# Altium PCB Computer_Board_Mockup.PcbDoc (part 2 of 5)
Units mm, origin at the board's own origin, x right, y up, seen from the top; angles counter-clockwise.
Board outline 185 x 165 mm, 4 copper layers (Top Layer, Layer 1, Layer 2, Bottom Layer), stack 1.57 mm thick; 400 components, 369 nets, 1989 pads, 984 vias.
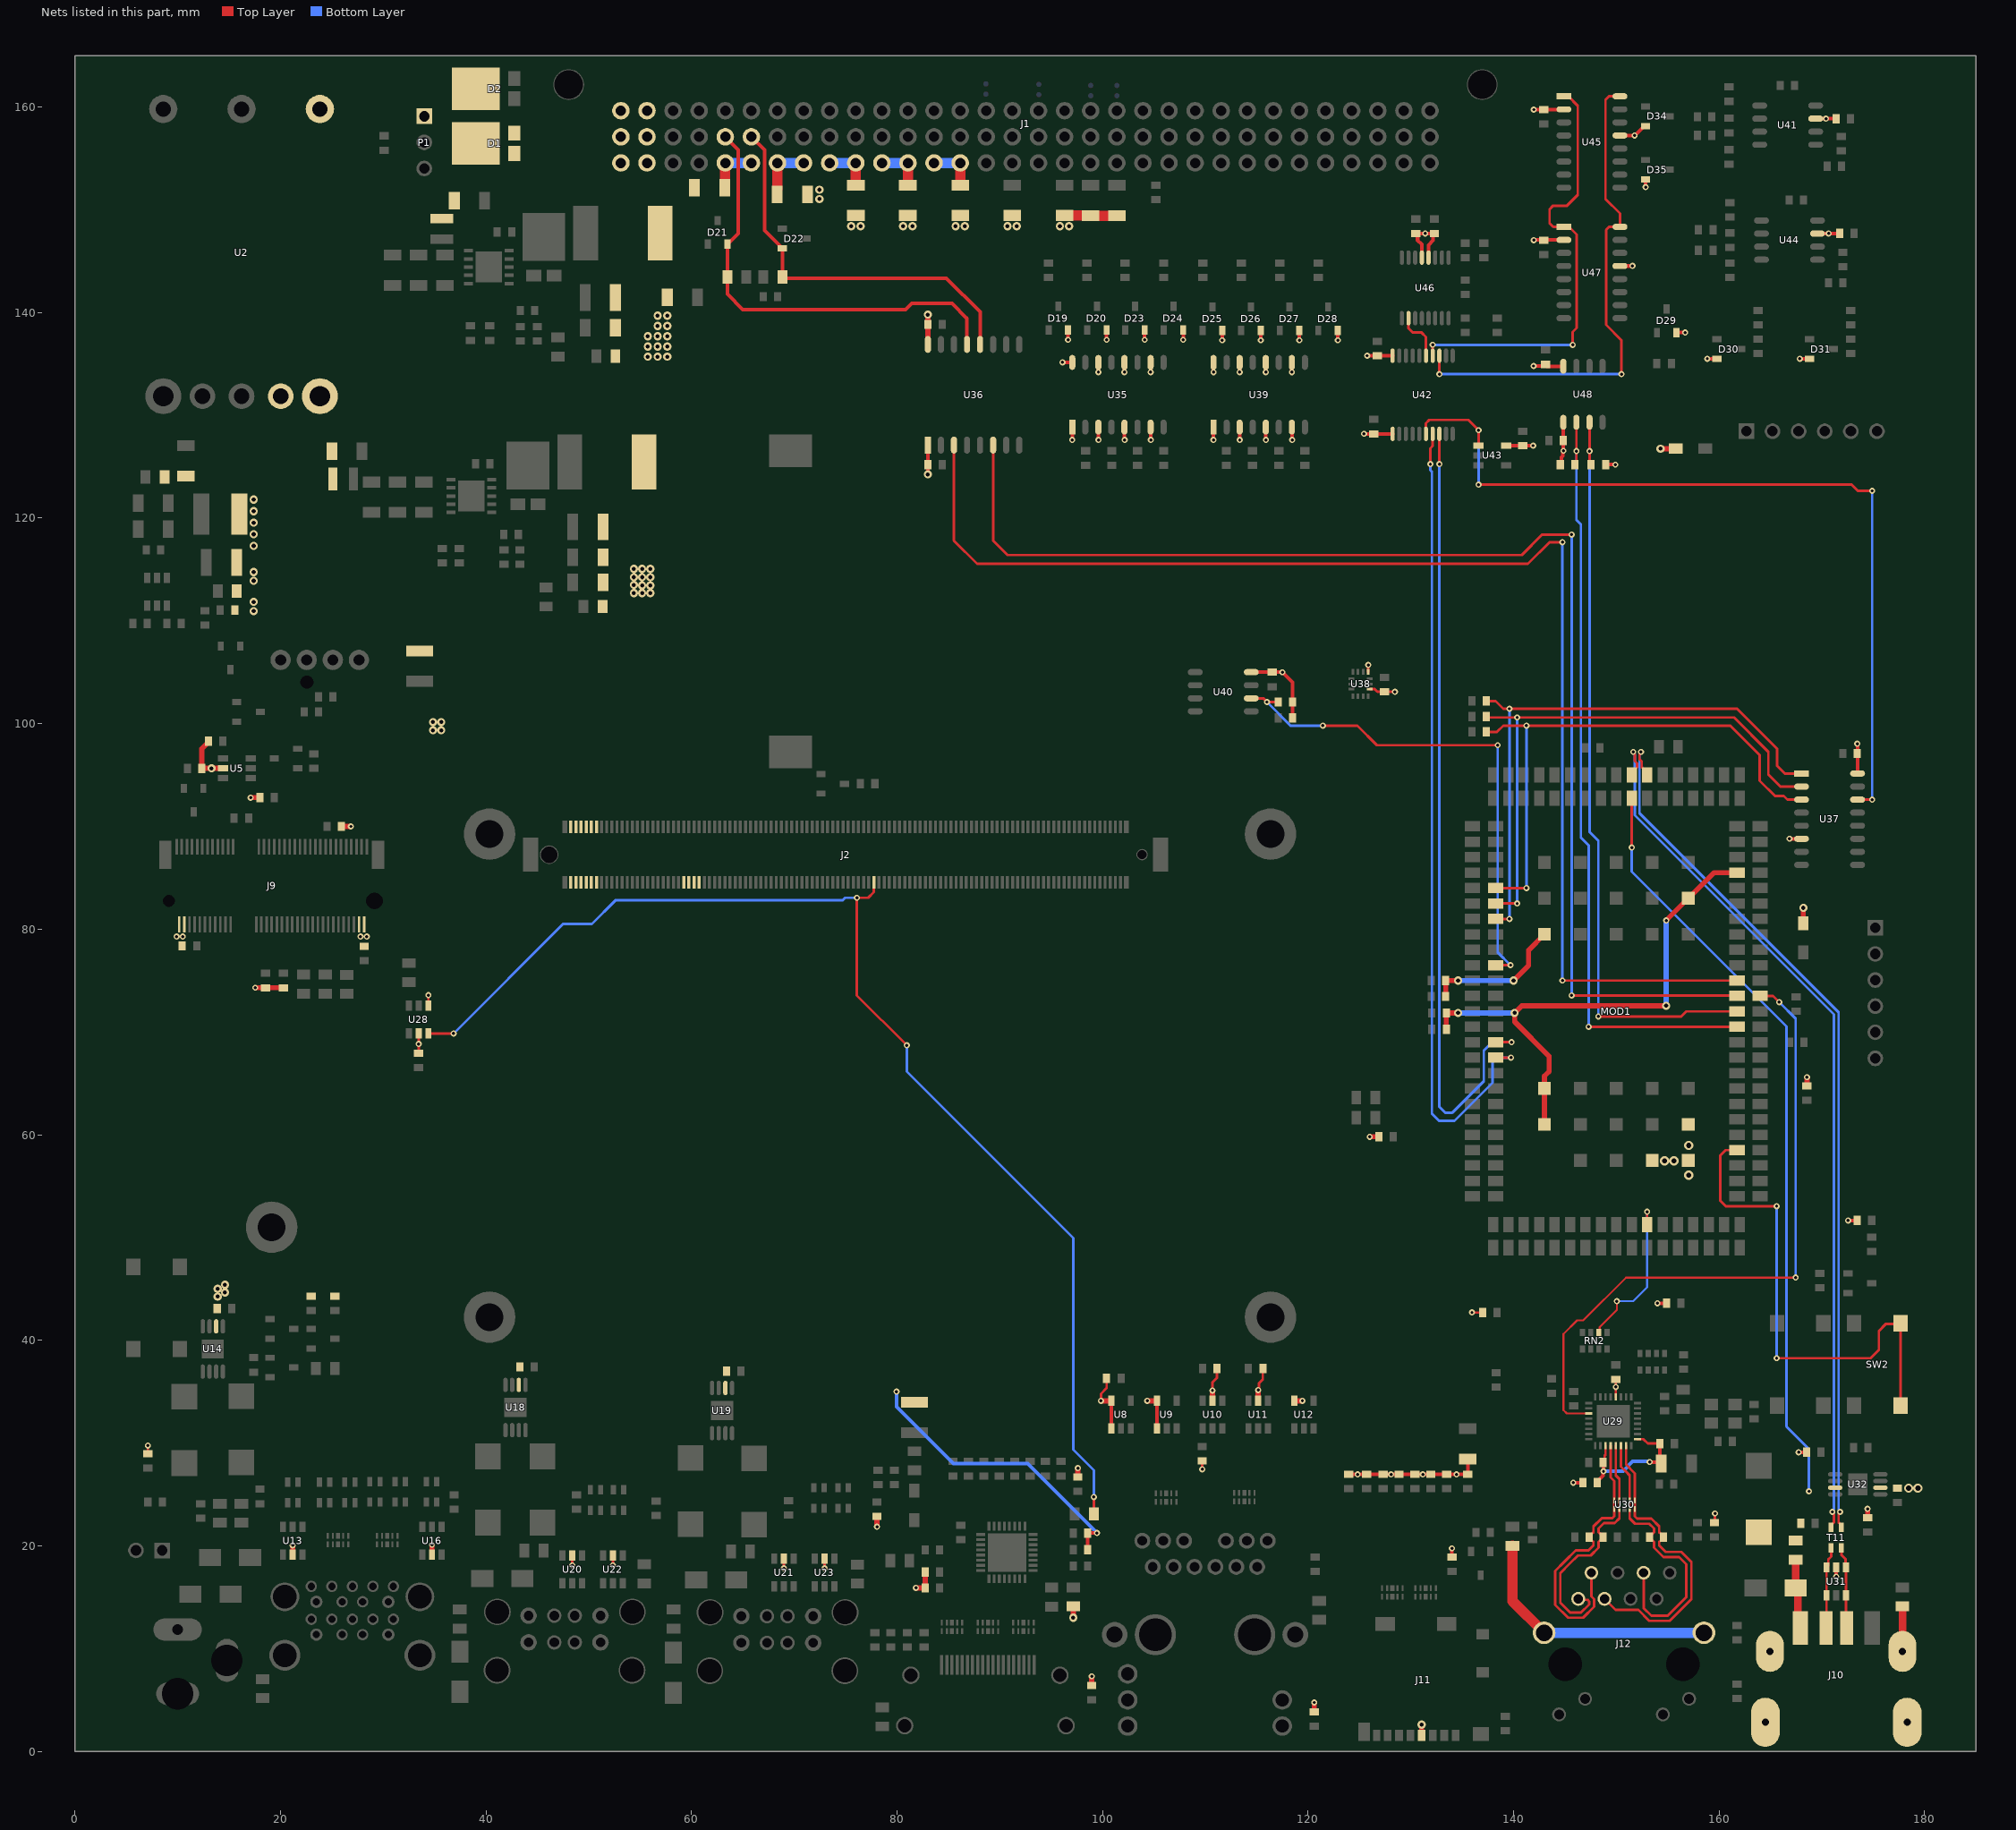
[diagram p4: the nets of this part, all layers, seen from the top]

## Footprints (in the part's own frame and the unit in brackets; to place one, negate y for a bottom-side part, rotate by r counter-clockwise, add the part's x,y. Pads: shape width x height; smd on the part's side, far side on the other; paste and mask are expansions set on the pad) (continued)
TE_CONN_1827253 [mm] "COM Express Socket"
  rect 1.45x3.3 smd: 0(-30.65,0) 0(30.65,0)
  round 1.8 hole 1.6: 0(-28.85,0)
  round 1.1 hole 0.9: 0(28.85,0)
  rect 0.45x1.2 smd mask+0.05: A1(27.325,2.7) A110(-27.325,2.7) B1(27.325,-2.7) B110(-27.325,-2.7)
  rect 0.3x1.2 smd mask+0.05: A2(26.75,2.7) A3(26.25,2.7) A4(25.75,2.7) A5(25.25,2.7) A6(24.75,2.7) A7(24.25,2.7) A8(23.75,2.7) A9(23.25,2.7) A10(22.75,2.7) A11(22.25,2.7) A12(21.75,2.7) A13(21.25,2.7) A14(20.75,2.7) A15(20.25,2.7) A16(19.75,2.7) A17(19.25,2.7) A18(18.75,2.7) A19(18.25,2.7) A20(17.75,2.7) A21(17.25,2.7) A22(16.75,2.7) A23(16.25,2.7) A24(15.75,2.7) A25(15.25,2.7) A26(14.75,2.7) A27(14.25,2.7) A28(13.75,2.7) A29(13.25,2.7) A30(12.75,2.7) A31(12.25,2.7) A32(11.75,2.7) A33(11.25,2.7) A34(10.75,2.7) A35(10.25,2.7) A36(9.75,2.7) A37(9.25,2.7) A38(8.75,2.7) A39(8.25,2.7) A40(7.75,2.7) A41(7.25,2.7) A42(6.75,2.7) A43(6.25,2.7) A44(5.75,2.7) A45(5.25,2.7) A46(4.75,2.7) A47(4.25,2.7) A48(3.75,2.7) A49(3.25,2.7) A50(2.75,2.7) A51(2.25,2.7) A52(1.75,2.7) A53(1.25,2.7) A54(0.75,2.7) A55(0.25,2.7) A56(-0.25,2.7) A57(-0.75,2.7) A58(-1.25,2.7) A59(-1.75,2.7) A60(-2.25,2.7) A61(-2.75,2.7) A62(-3.25,2.7) A63(-3.75,2.7) A64(-4.25,2.7) A65(-4.75,2.7) A66(-5.25,2.7) A67(-5.75,2.7) A68(-6.25,2.7) A69(-6.75,2.7) A70(-7.25,2.7) A71(-7.75,2.7) A72(-8.25,2.7) A73(-8.75,2.7) A74(-9.25,2.7) A75(-9.75,2.7) A76(-10.25,2.7) A77(-10.75,2.7) A78(-11.25,2.7) A79(-11.75,2.7) A80(-12.25,2.7) A81(-12.75,2.7) A82(-13.25,2.7) A83(-13.75,2.7) A84(-14.25,2.7) A85(-14.75,2.7) A86(-15.25,2.7) A87(-15.75,2.7) A88(-16.25,2.7) A89(-16.75,2.7) A90(-17.25,2.7) A91(-17.75,2.7) A92(-18.25,2.7) A93(-18.75,2.7) A94(-19.25,2.7) A95(-19.75,2.7) A96(-20.25,2.7) A97(-20.75,2.7) A98(-21.25,2.7) A99(-21.75,2.7) A100(-22.25,2.7) A101(-22.75,2.7) A102(-23.25,2.7) A103(-23.75,2.7) A104(-24.25,2.7) A105(-24.75,2.7) A106(-25.25,2.7) A107(-25.75,2.7) A108(-26.25,2.7) A109(-26.75,2.7) B2(26.75,-2.7) B3(26.25,-2.7) B4(25.75,-2.7) B5(25.25,-2.7) B6(24.75,-2.7) B7(24.25,-2.7) B8(23.75,-2.7) B9(23.25,-2.7) B10(22.75,-2.7) B11(22.25,-2.7) B12(21.75,-2.7) B13(21.25,-2.7) B14(20.75,-2.7) B15(20.25,-2.7) B16(19.75,-2.7) B17(19.25,-2.7) B18(18.75,-2.7) B19(18.25,-2.7) B20(17.75,-2.7) B21(17.25,-2.7) B22(16.75,-2.7) B23(16.25,-2.7) B24(15.75,-2.7) B25(15.25,-2.7) B26(14.75,-2.7) B27(14.25,-2.7) B28(13.75,-2.7) B29(13.25,-2.7) B30(12.75,-2.7) B31(12.25,-2.7) B32(11.75,-2.7) B33(11.25,-2.7) B34(10.75,-2.7) B35(10.25,-2.7) B36(9.75,-2.7) B37(9.25,-2.7) B38(8.75,-2.7) B39(8.25,-2.7) B40(7.75,-2.7) B41(7.25,-2.7) B42(6.75,-2.7) B43(6.25,-2.7) B44(5.75,-2.7) B45(5.25,-2.7) B46(4.75,-2.7) B47(4.25,-2.7) B48(3.75,-2.7) B49(3.25,-2.7) B50(2.75,-2.7) B51(2.25,-2.7) B52(1.75,-2.7) B53(1.25,-2.7) B54(0.75,-2.7) B55(0.25,-2.7) B56(-0.25,-2.7) B57(-0.75,-2.7) B58(-1.25,-2.7) B59(-1.75,-2.7) B60(-2.25,-2.7) B61(-2.75,-2.7) B62(-3.25,-2.7) B63(-3.75,-2.7) B64(-4.25,-2.7) B65(-4.75,-2.7) B66(-5.25,-2.7) B67(-5.75,-2.7) B68(-6.25,-2.7) B69(-6.75,-2.7) B70(-7.25,-2.7) B71(-7.75,-2.7) B72(-8.25,-2.7) B73(-8.75,-2.7) B74(-9.25,-2.7) B75(-9.75,-2.7) B76(-10.25,-2.7) B77(-10.75,-2.7) B78(-11.25,-2.7) B79(-11.75,-2.7) B80(-12.25,-2.7) B81(-12.75,-2.7) B82(-13.25,-2.7) B83(-13.75,-2.7) B84(-14.25,-2.7) B85(-14.75,-2.7) B86(-15.25,-2.7) B87(-15.75,-2.7) B88(-16.25,-2.7) B89(-16.75,-2.7) B90(-17.25,-2.7) B91(-17.75,-2.7) B92(-18.25,-2.7) B93(-18.75,-2.7) B94(-19.25,-2.7) B95(-19.75,-2.7) B96(-20.25,-2.7) B97(-20.75,-2.7) B98(-21.25,-2.7) B99(-21.75,-2.7) B100(-22.25,-2.7) B101(-22.75,-2.7) B102(-23.25,-2.7) B103(-23.75,-2.7) B104(-24.25,-2.7) B105(-24.75,-2.7) B106(-25.25,-2.7) B107(-25.75,-2.7) B108(-26.25,-2.7) B109(-26.75,-2.7)
  Top Layer region: -30,1.25
  silkscreen extent -30.9,-3.1 30.9,3.1, body extent -30.9,-3.1 30.9,3.1, height 4.43
TE_CONN_2199230-4 [mm]
  rect 1.2x2.75 smd: 0(-10.35,4.5) 0(10.35,4.5)
  round 0 hole 1.15 unplated: 0(-10,0)
  round 0 hole 1.65 unplated: 0(10,0)
  rect 0.25x1.55 smd mask+0.05: 1(-9.25,5.275) 2(-9,-2.275) 3(-8.75,5.275) 4(-8.5,-2.275) 5(-8.25,5.275) 6(-8,-2.275) 7(-7.75,5.275) 8(-7.5,-2.275) 9(-7.25,5.275) 10(-7,-2.275) 11(-6.75,5.275) 12(-6.5,-2.275) 13(-6.25,5.275) 14(-6,-2.275) 15(-5.75,5.275) 16(-5.5,-2.275) 32(-1.5,-2.275)
  rect 0.25x1.55 smd: 17(-5.25,5.275) 18(-5,-2.275) 19(-4.75,5.275) 20(-4.5,-2.275) 21(-4.25,5.275) 22(-4,-2.275) 23(-3.75,5.275) 33(-1.25,5.275) 34(-1,-2.275) 35(-0.75,5.275) 36(-0.5,-2.275) 37(-0.25,5.275) 38(0,-2.275) 39(0.25,5.275) 40(0.5,-2.275) 41(0.75,5.275) 42(1,-2.275) 43(1.25,5.275) 44(1.5,-2.275) 45(1.75,5.275) 46(2,-2.275) 47(2.25,5.275) 48(2.5,-2.275) 49(2.75,5.275) 50(3,-2.275) 51(3.25,5.275) 52(3.5,-2.275) 53(3.75,5.275) 54(4,-2.275) 55(4.25,5.275) 56(4.5,-2.275) 57(4.75,5.275) 58(5,-2.275) 59(5.25,5.275) 60(5.5,-2.275) 61(5.75,5.275) 62(6,-2.275) 63(6.25,5.275) 64(6.5,-2.275) 65(6.75,5.275) 66(7,-2.275) 67(7.25,5.275) 68(7.5,-2.275) 69(7.75,5.275) 70(8,-2.275) 71(8.25,5.275) 72(8.5,-2.275) 73(8.75,5.275) 74(9,-2.275) 75(9.25,5.275)
  silkscreen extent -10.95,-2.85 10.95,-1.9, body extent -10.95,-2.85 10.95,5.85, height 4.09
TO-277-3 [mm] "TO-277 3-pin"
  rect 1.15x1.45 smd: 1(2.75,0.985) 2(2.75,-0.985)
  rect 4.65x4.15 smd: 3(-1,0)
TSSOP-16_0 [mm] "TSSOP-16 No Pad"
  oval 1.4x0.4 smd mask+0.05: 1(-2.95,2.275) 2(-2.95,1.625) 3(-2.95,0.975) 4(-2.95,0.325) 5(-2.95,-0.325) 6(-2.95,-0.975) 7(-2.95,-1.625) 8(-2.95,-2.275) 9(2.95,-2.275) 10(2.95,-1.625) 11(2.95,-0.975) 12(2.95,-0.325) 13(2.95,0.325) 14(2.95,0.975) 15(2.95,1.625) 16(2.95,2.275)
  silkscreen extent -3.07,-2.55 1.85,3.17, body extent -3.21,-2.55 3.22,2.55, height 1.11
tssop-20_1 [mm] "TSOP, 20-Leads, Body 7.20x5.30mm, Pitch 0.65mm, IPC Medium Density"
  oval 1.4x0.4 smd mask+0.05: 1(-3.8,2.925) 2(-3.8,2.275) 3(-3.8,1.625) 4(-3.8,0.975) 5(-3.8,0.325) 6(-3.8,-0.325) 7(-3.8,-0.975) 8(-3.8,-1.625) 9(-3.8,-2.275) 10(-3.8,-2.925) 11(3.8,-2.925) 12(3.8,-2.275) 13(3.8,-1.625) 14(3.8,-0.975) 15(3.8,-0.325) 16(3.8,0.325) 17(3.8,0.975) 18(3.8,1.625) 19(3.8,2.275) 20(3.8,2.925)
  silkscreen extent -3.32,-3.3 2.7,3.82, body extent -3.21,-3.2 3.22,3.2, height 1.11
USON-10 [mm] "USON-10"
  rect 0.565x0.2 smd mask+0.05: 1(-0.418,1) 2(-0.418,0.5) 4(-0.418,-0.5) 5(-0.418,-1) 6(0.418,-1) 7(0.418,-0.5) 9(0.418,0.5) 10(0.418,1)
  rect 0.565x0.4 smd mask+0.05: 3(-0.418,0) 8(0.418,0)
  silkscreen extent -1.02,-1.35 0.55,1.43, body extent -0.55,-1.3 0.55,1.3, height 0.55
VISHAY_IHLP3232DZ [mil] "Inductor, Vishay Dale, IHLP-3232DZ series"
  rect 95x210 smd: 1(-142.52,0) 2(142.52,0)
  silkscreen extent -161,-161 161,161
VSSOP-8-PPAD [mm]
  oval 1.4x0.42 smd mask+0.05: 1(-2.2,0.975) 2(-2.2,0.325) 3(-2.2,-0.325) 4(-2.2,-0.975) 5(2.2,-0.975) 6(2.2,-0.325) 7(2.2,0.325) 8(2.2,0.975)
  rect 1.86x2.15 smd: 9(0,0)
  silkscreen extent -2.3,-1.5 1.25,1.85, body extent -1.5,-1.5 1.5,1.5, height 1
WSON-10_0 [mm]
  rect 0.85x0.35 smd mask+0.07: 1(-2,1.6) 2(-2,0.8) 3(-2,0) 4(-2,-0.8) 5(-2,-1.6) 6(1.95,-1.6) 7(1.95,-0.8) 8(1.95,0) 9(1.95,0.8) 10(1.95,1.6)
  rect 2.6x3 smd mask+0.07: 11(-0.025,0)
  silkscreen extent -2.47,-2.05 2.05,2.35, body extent -2.05,-2.05 2.05,2.05, height 0.8

## Part data
BT1: library part CONN-00083, "Battery Holder, Coin Cell CR2032, SMD", Manufacturer="Memory Protection Devices", Cost=1, Manufacturer PN=BU2032SM-JJ-GTR, Part Number=CONN-00083
C1 C12 C16 C19 C30 C31 C34 C35 C37 C38 C43 C44 C45 C46 C47 C48 C51 C52 C53 C54 C55 C56 C57 C58 C59 C60 C61 C62 C63 C64 C65 C67 C68 C69 C71 C76 C78 C79 C80 C82 C83 C84 C85 C86 C87 C88 C92 C93 C94 C95 C99 C100 C102 C103 C107 C108 C109 C110 C111 C112 C113 C114 C115 C116: library part CAP-00542, "CAP, 0.1uF, ±10%, 16V, X7R, 0603", Capacitance=0.1uF, Manufacturer=Murata, Tolerance=±10%, Voltage Rating=16V, Part Number=CAP-00542, Type=X7R
C2 C3 C4 C5 C7 C8 C13 C14 C15 C20 C21 C22 C23 C25 C26 C66 C70: library part CAP-00539, "CAP, 10uF, ±10%, 25V, X7R, 1206", Capacitance=10uF, Manufacturer=Samsung, Manufacturer PN=CL31B106KAHNNNE, Tolerance=±10%, Voltage Rating=25V, Part Number=CAP-00539, Type=X7R
C6 C17 C24: library part CAP-00557, "CAP, 47uF, ±20%, 6.3V, X7R, 1210", Capacitance=47uF, Manufacturer=KEMET, Manufacturer PN=C1210C476M9RACTU, Tolerance=±20%, Voltage Rating=6.3V, Cost=$1.08, Part Number=CAP-00557, Type=X7R
C9 C27 C81: library part CAP-00543, "CAP, 10000pF, ±10%, 16V, X7R, 0603", Capacitance=10000pF, Tolerance=±10%, Voltage Rating=16V, Part Number=CAP-00543, Type=X7R
C10 C28: library part CAP-00423, "CAP, 39pF, ±1%, 50V, C0G, 0603", Capacitance=39pF, Manufacturer=Murata, Manufacturer PN=GRM1885C1H390FA01D, Tolerance=±1%, Voltage Rating=50V, Part Number=CAP-00423, Type=C0G
C11 C29 C89 C90 C91 C96 C97 C98 C101 C104 C105 C106: library part CAP-00457, "CAP, 1000pF, ±1%, 50V, C0G, 0603", Capacitance=1000pF, Manufacturer=Murata, Manufacturer PN=GRM1885C1H102FA01D, Tolerance=±1%, Voltage Rating=50V, Part Number=CAP-00457, Type=C0G
C18 C36 C73: library part CAP-00107, "CAP, 1uF, 10%, 16V, X7R, 0805", Capacitance=1uF, Manufacturer=Murata, Manufacturer PN=GRM21BR71C105KA01L, Tolerance=10%, Voltage Rating=16V, Part Number=CAP-00107, Type=X7R
C32 C33 C39 C40 C41 C42 C77: library part CAP-00555, "CAP, 220uF, ±10%, 10V, Tantalum, 2917", Capacitance=220uF, Manufacturer=KEMET, Manufacturer PN=T495D227K010ATE125, Tolerance=±10%, Voltage Rating=10V, Cost=$2.01, Part Number=CAP-00555, Type=Tantalum
C49 C50: library part CAP-00416, "CAP, 47pF, ±1%, 50V, C0G, 0603", Capacitance=47pF, Manufacturer=Murata, Manufacturer PN=GRM1885C1H470FA01J, Tolerance=±1%, Voltage Rating=50V, Part Number=CAP-00416, Type=C0G
C72: library part CAP-00429, "CAP, 470pF, ±2%, 50V, C0G, 0603", Capacitance=470pF, Manufacturer=Murata, Manufacturer PN=GRM1885C1H471GA01D, Tolerance=±2%, Voltage Rating=50V, Part Number=CAP-00429, Type=C0G
C74 C75: library part CAP-00417, "CAP, 18pF, ±1%, 50V, C0G, 0603", Capacitance=18pF, Manufacturer=Murata, Manufacturer PN=GRM1885C1H180FA01J, Tolerance=±1%, Voltage Rating=50V, Part Number=CAP-00417, Type=C0G
D1 D2 D3 D4: library part DIO-00074, "Dio, Schottky, 5A, 0.63V, 60V, TO-227", Current Rating=5A, Forward Voltage=0.63V, Manufacturer=Vishay, Manufacturer PN=SS5P6-M3/86A, Reverse Breakdown Voltage=60V, Cost=0.6, Part Number=DIO-00074, Type=Schottky
D5 D6: library part DIO-00070, "Dio, Zener, 3.3V 6% 300mW SOT-23-3", Forward Voltage=0.9V, Manufacturer="Diodes Incorporated", Power Rating=300mW, Reverse Breakdown Voltage=3.3V, Tolerance=6%, Cost=0.16, Manufacturer PN=BZX84C3V3-7-F, Part Number=DIO-00070, Type=Zener
D7: library part DIO-00038, "Dio Schottky, series, 225mW, SOT-23-3", Current Rating=200mA, Forward Voltage=800mV, Manufacturer="ON Semi", Manufacturer PN=BAT54SLT1G, Power Rating=225mW, Reverse Breakdown Voltage=30V, Cost=0.19, Part Number=DIO-00038, Type=Schottky
D8 D9 D10 D11 D12 D13 D16: library part DIO-00036, "TVS, 5V, 400W, Unidirectional", Manufacturer=ST, Manufacturer PN=SMAJ5.0A-TR, Power Rating=400W, Reverse Breakdown Voltage=5V, Cost=0.48, Part Number=DIO-00036, Type=TVS
D14: library part DIO-00002, "Dio Shtky, 2A, 0.43V, 30V, SOD-123", Current Rating=2A, Forward Voltage=430mV, Manufacturer="ON Semi", Manufacturer PN=MBR230LSFT1G, Reverse Breakdown Voltage=30V, Part Number=DIO-00002, Type=Schottky
D15 D32 D33: library part DIO-00049, "LED, Blue, 0603, Low current, HELI2 Series", Current Rating=30mA, Forward Voltage=2.65V, Manufacturer=Kingbright, Manufacturer PN=APT1608LVBC/D, Power Rating=120mW, Reverse Breakdown Voltage=5V, Cost=0.58, Part Number=DIO-00049, Type=LED
D17 D18: library part DIO-00001, "Dio Shtky, 1A, 0.55V, 40V, SOD-123", Current Rating=1A, Forward Voltage=550mV, Manufacturer="ON Semi", Manufacturer PN=MBR140SFT1G, Reverse Breakdown Voltage=40V, Part Number=DIO-00001, Type=Schottky
D19 D20 D21 D22 D23 D24 D25 D26 D27 D28 D29 D30 D31 D34 D35: library part DIO-00057, "TVS, Steering (Rail-Rail), 9.8V Clamping, 17A Peak Pulse, SOT-23", Manufacturer="Diodes Incorporated", Manufacturer PN=DLPT05-7-F, Reverse Breakdown Voltage=6.0V, Cost=0.38, Part Number=DIO-00057, Type=TVS
F1 F2: library part MISC-00056, "PTC Fuse (Polyfuse), 16V 1.5A Hold, 3A Trip, 300ms", Manufacturer=Littelfuse, Manufacturer PN=1210L150/16WR, Cost=1, Part Number=MISC-00056
F3 F4 F5 F6 F7 F8 F9 F10 F11: library part MISC-00008, "PTC Resettable fuse, 6V, 500mA, 1206", Manufacturer=Eaton, Manufacturer PN=PTS12066V050, Cost=0.3, Part Number=MISC-00008
J1: library part CONN-00084, "DIN 41612 Plug, 96-Pos, Male Pins, Right-Angle", Manufacturer="TE Connectivity", Cost=7.49, Levels=3, Manufacturer PN=1-1393644-6, Part Number=CONN-00084, Positions per level=32, Type=Plug
J2: library part CONN-00078, "Plug, 220 pos, COM Express Board-Board connector", Manufacturer="TE Connectivity", Cost=18.99, Levels=2, Manufacturer PN=3-1827253-6, Part Number=CONN-00078, Positions per level=110, Type=Plug
J3: library part CONN-00087, "Header, 4-Pos, Molex-47053, (CPU Fan Header)", Manufacturer=Molex, Manufacturer PN=0470531000, Cost=0.46, Levels=1, Part Number=CONN-00087, Positions per level=4, Type=Header
J4: library part CONN-00082, "RJ45 Modular Mag-jack, 8P8C, 1000 Base-T, Horizontal", Manufacturer="Pulse Electronics Network", Cost=10.26, Levels=1, Manufacturer PN=J0G-0003NL, Part Number=CONN-00082, Positions per level=8, Type=Jack
J5: library part CONN-00079, "USB-A Jack x2, USB 3.0, Right-Angle, Thru-Hole", Manufacturer="CNC Tech", Cost=3.55, Levels=2, Manufacturer PN=1003-004-01010, Part Number=CONN-00079, Positions per level=9, Type=Jack
J6 J7: library part CONN-00068, "USB-A Jack x2, USB 2.0, Right-Angle, Thru-Hole", Manufacturer=CUI, Manufacturer PN=UJ2-ADH-1-TH, Cost=0.95, Levels=2, Part Number=CONN-00068, Positions per level=4, Type=Jack
J8: library part CONN-00080, "HDMI Type A Jack, Right-Angle, SMD+Thru-Hole", Current=0.5, Manufacturer=Amphenol, Cost=0.8, Levels=1, Manufacturer PN=10029449-111RLF, Part Number=CONN-00080, Positions per level=19, Type=Jack
J9: library part CONN-00088, "Card-Edge Socket, NGFF (M.2) E-Keyed, PCIe Card Socket", Manufacturer="TE Connectivity", Cost=1.33, Manufacturer PN=2199230-4, Part Number=CONN-00088, Type="Card Socket"
J10: library part CONN-00058, "USB-A Jack, USB 2.0, SMD Right-Angle", Manufacturer="TE Connectivity", Manufacturer PN=1932638-3, Cost=1.52, Levels=1, Part Number=CONN-00058, Positions per level=4, Type=Jack
J11: library part CONN-00091, "Micro SD Card Slot, Push-Pull w/ Card-Detect Switch, SMD, Molex", Manufacturer=Molex, Cost=2.02, Levels=1, Manufacturer PN=1040310811, Part Number=CONN-00091, Positions per level=10, Type="Card Socket"
J12: library part CONN-00057, "RJ45 Modular Mag-Jack, 8P8C, 10/100 Base-T", Manufacturer=Amphenol, Manufacturer PN=RJMG1BD3B8K1ANR, Cost=3.92, Part Number=CONN-00057, Type=Jack
J13 J14 J15 J16: library part MISC-00039, Part Number=MISC-00039
L1 L5: library part MAG-00124, "Ind, 470nH, 4A, 0.027 Ohm, 1008", Current Rating=4A, Inductance=470nH, Manufacturer=Murata, Manufacturer PN=DFE252012P-R47M=P2, Test Freq=1MHz, Tolerance=20%, Cost=0.51, DCR=27mOhm, Part Number=MAG-00124
L2 L6: library part MAG-00106, "Ind, 10uH, 20%, 5.2A (9A sat.), 0.0599 Ohm", Current Rating=5.2A, Inductance=10uH, Manufacturer="Vishay Dale", Manufacturer PN=IHLP3232DZER100M01, Tolerance=20%, Cost=1.65, DCR=59.9mOhm, Part Number=MAG-00106
L3: library part MAG-00009, "Ind, 1uH, 20%, 900mA, 0805", Current Rating=900mA, Inductance=1uH, Manufacturer=TDK, Manufacturer PN=MLZ2012A1R0M, Tolerance=20%, DCR="100 mOhm", Part Number=MAG-00009
L4: library part MAG-00111, "Ind, 3.3uH, 3.3A (3.8A sat.), 0.027 Ohm", Current Rating=3.3A, Inductance=3.3uH, Manufacturer=Bourns, Manufacturer PN=SRN5040-3R3M, Tolerance=20%, Cost=0.46, DCR=27mOhm, Part Number=MAG-00111
L7 L8 L9 L10 L11 L12 L13 L20 L21: library part MAG-00125, "Fe Bead, 60 @ 100MH, 3A, 0805", Current Rating=3A, Manufacturer="Pulse Electronics", Manufacturer PN=PE-0805PFB600ST, Test Freq=100MHz, Cost=0.1, DCR=25mOhm, Impedance=60, Part Number=MAG-00125
L14 L17: library part MAG-00110, "Fe Bead, 120 @ 100MHz, 3A, 0805", Current Rating=3A, Manufacturer=Wurth, Manufacturer PN=742792023, Test Freq=100MHz, Cost=0.22, DCR=30mOhm, Impedance=120, Part Number=MAG-00110
L15 L16 L18 L19: library part MAG-00126, "Fe Bead, 120 @ 100MHz, 800mA, 0603", Current Rating=800mA, Manufacturer=Murata, Manufacturer PN=BLM18AG121SN1D, Test Freq=100MHz, Cost=0.1, DCR=180mOhm, Impedance=120, Part Number=MAG-00126
MOD1: library part UCTRL-00011, "BeagleCore BCM1, System-On-Module (SOM)", Manufacturer=BeagleCore, Manufacturer PN=BCM1.STR, Part Number=UCTRL-00011
P1: library part CONN-00037, "Header, 3x1, 0.1\"", Levels=1, Part Number=CONN-00037, Positions per level=3, Type=Header
P2: library part CONN-00074, "Barrel Jack, 2.0x5.5mm IDxOD, Right-Angle", Manufacturer=Switchcraft, Manufacturer PN=RAPC722X, Cost=1.64, Levels=1, Part Number=CONN-00074, Positions per level=3, Type="Barrel Jack"
P3: library part CONN-00055, "Header, 2x1, 0.1\"", Manufacturer=Samtec, Manufacturer PN=TSW-102-07-F-S, Cost=0.2, Levels=1, Part Number=CONN-00055, Positions per level=2, Type=Header
P4 P6: library part CONN-00008, "Header 6x1, 0.1\"", Levels=1, Part Number=CONN-00008, Positions per level=6
Q1 Q2 Q3 Q4 Q5 Q6 Q7: library part XSTR-00017, "XSTR NMOS, 220mA, 50V, Vgs 1.3V, SOT-23-3", Manufacturer="ON Semi", Manufacturer PN=BSS138, Max Current=220mA, Max Power=360mW, Max Voltage=50V, Cost=0.31, Part Number=XSTR-00017, Type=NFET, Vgs/Vce=1.3V
R1 R6 R8 R13 R14 R15 R18 R22 R23 R24 R25 R26 R27 R42 R43 R44 R53 R54 R55 R56 R57 R58 R59 R69 R70 R73 R74 R84 R85 R86 R87 R88 R89 R90 R95 R96 R97 R98 R99 R100 R107 R118 R119: library part RES-00306, "RES SMD 10K OHM 1% 1/4W 0603", Manufacturer=Panasonic, Manufacturer PN=ERJ-PA3F1002V, Power Rating=0.25W, Resistance=10k, Tolerance=1%, Cost=0.144, Part Number=RES-00306
R2 R9: library part RES-00531, "RES SMD 60.4K OHM 1% 1/8W 0805", Manufacturer="Rohm Semiconductor", Manufacturer PN=KTR10EZPF6042, Power Rating=0.125W, Resistance=60.4k, Tolerance=1%, Part Number=RES-00531
R3 R10: library part RES-00399, "RES SMD 24K OHM 1% 1/4W 0603", Manufacturer=Panasonic, Manufacturer PN=ERJ-PA3F2402V, Power Rating=0.25W, Resistance=24k, Tolerance=1%, Part Number=RES-00399
R4 R11: library part RES-00405, "RES SMD 270K OHM 1% 1/4W 0603", Manufacturer=Panasonic, Manufacturer PN=ERJ-PA3F2703V, Power Rating=0.25W, Resistance=270k, Tolerance=1%, Part Number=RES-00405
R5 R12: library part RES-00309, "RES SMD 11.5K OHM 1% 1/8W 0805", Manufacturer="Rohm Semiconductor", Manufacturer PN=KTR10EZPF1152, Power Rating=0.125W, Resistance=11.5k, Tolerance=1%, Part Number=RES-00309
R7: library part RES-00442, "RES SMD 33K OHM 1% 1/4W 0603", Manufacturer=Panasonic, Manufacturer PN=ERJ-PA3F3302V, Power Rating=0.25W, Resistance=33k, Tolerance=1%, Part Number=RES-00442
R16 R36 R37 R39 R40 R121 R122: library part RES-00365, "RES SMD 2.2K OHM 1% 1/4W 0603", Manufacturer=Panasonic, Manufacturer PN=ERJ-PA3F2201V, Power Rating=0.25W, Resistance=2.2k, Tolerance=1%, Part Number=RES-00365
R17: library part RES-00360, "RES SMD 1K OHM 1% 1/4W 0603", Manufacturer=Panasonic, Manufacturer PN=ERJ-PA3F1001V, Power Rating=0.25W, Resistance=1k, Tolerance=1%, Part Number=RES-00360
R19 R50 R60 R66 R77: library part RES-00221, "RES SMD 330 OHM 1% 1/4W 0603", Manufacturer=Panasonic, Manufacturer PN=ERJ-PA3F3300V, Power Rating=0.25W, Resistance=330, Tolerance=1%, Part Number=RES-00221
R20 R21 R67 R68 R76 R120: library part RES-00178, "RES SMD 100 OHM 1% 1/4W 0603", Manufacturer=Panasonic, Manufacturer PN=ERJ-PA3F1000V, Power Rating=0.25W, Resistance=100, Tolerance=1%, Part Number=RES-00178
R28: library part RES-00489, "RES SMD 470K OHM 1% 1/4W 0603", Manufacturer=Panasonic, Manufacturer PN=ERJ-PA3F4703V, Power Rating=0.25W, Resistance=470k, Tolerance=1%, Part Number=RES-00489
R29 R30 R31 R32 R33 R35 R45 R46 R47 R48 R49 R51 R52 R72 R75: library part RES-00719, "RES SMD 0 OHM 1/8W 0805 Thick Film", Manufacturer=Stackpole, Manufacturer PN=RMCF0805ZT0R00, Power Rating=1/8W, Resistance=0, Tolerance=Jumper, Cost=0.1, Part Number=RES-00719
R34 R41 R105 R106: library part RES-00301, "RES SMD 100K OHM 1% 1/4W 0603", Manufacturer=Panasonic, Manufacturer PN=ERJ-PA3F1003V, Power Rating=0.25W, Resistance=100k, Tolerance=1%, Part Number=RES-00301
R38 R71: library part RES-00720, "RES SMD 12.4K OHM 1% 1/10W 0603", Manufacturer=Stackpole, Manufacturer PN=RMCF0603FT12K4, Power Rating=1/10W, Resistance=12.4k, Tolerance=1%, Cost=0.1, Part Number=RES-00720